# Altium PCB Minion_1_SiC780A_Rev01.PcbDoc (part 5 of 6) (continued)
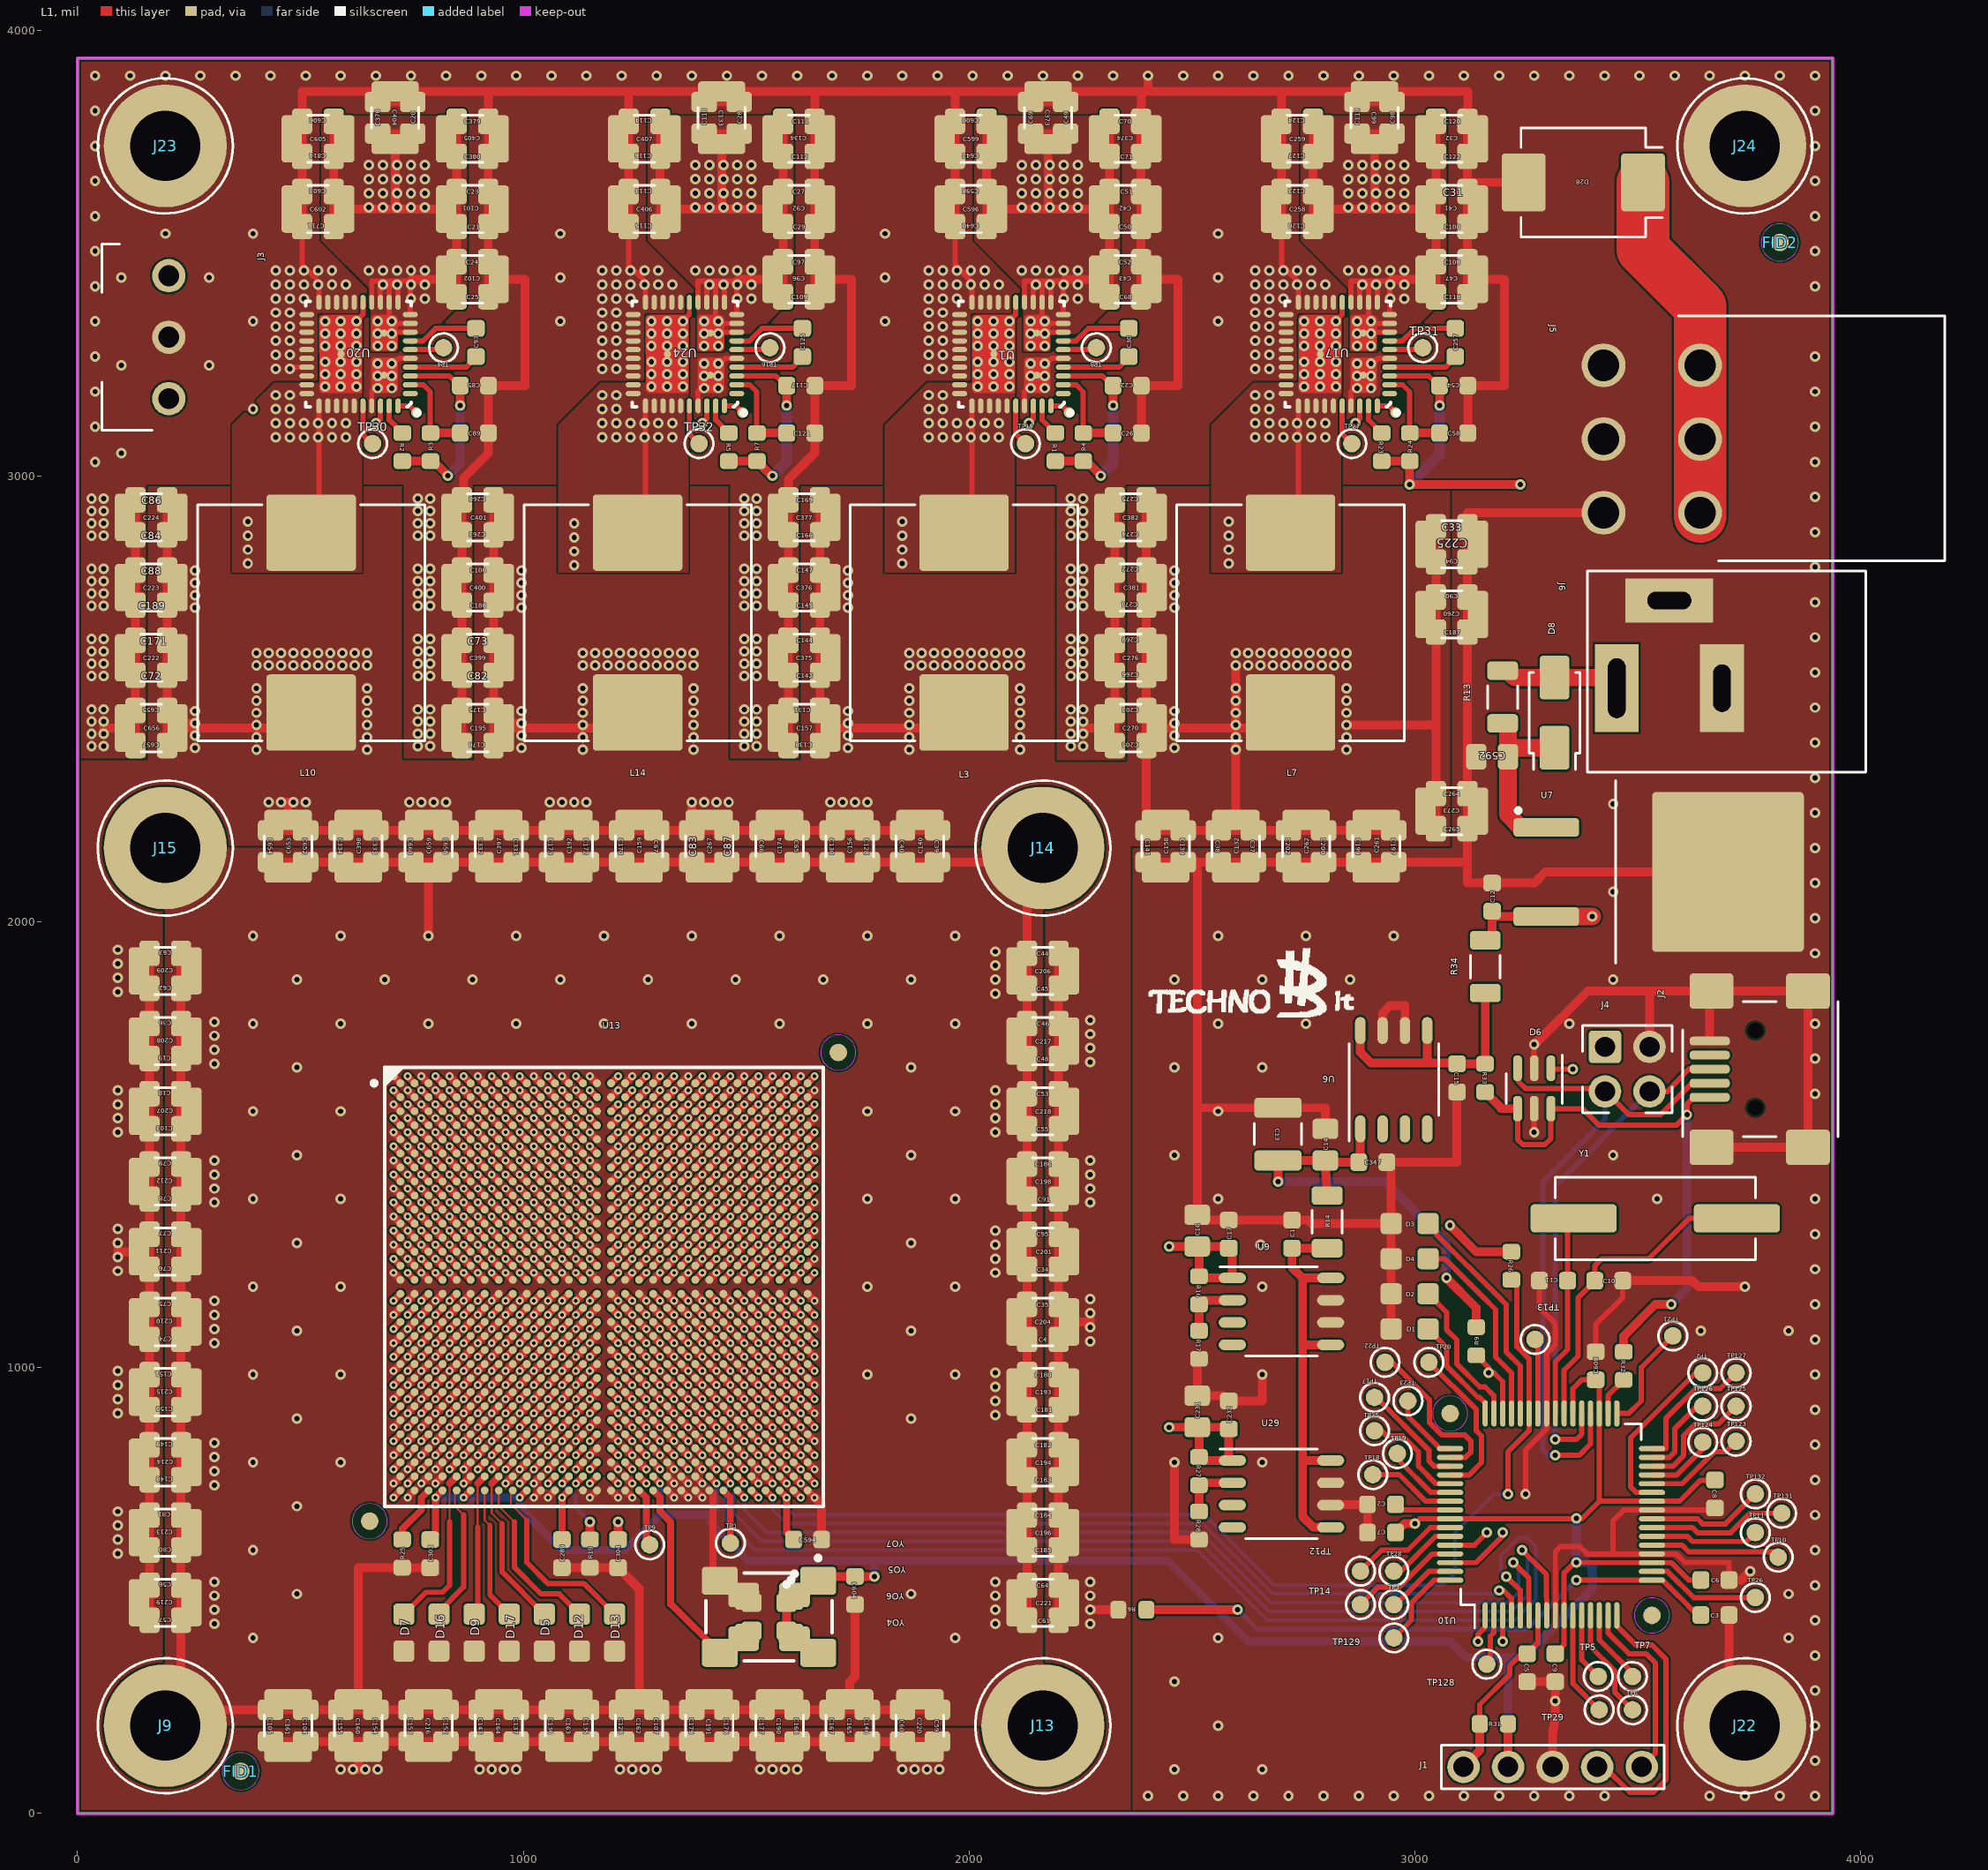
[diagram p0: L1 view]
## Nets (pads, with @x,y where several pads share a name; then routed paths per layer and width w, separated by ;. In a path a pad name is that pad's centre, name@x,y a point inside that pad or via, vN(x,y) a via of type N, cw(c..) or ccw(c..) an arc to the next point about the centre after c; other vN are vias at no path point) (continued)
  L1 w15.75: v2(708.66,740.16) U13.AJ1@724.41,755.91 ; v2(708.66,803.15) U13.AG1@724.41,818.9 ; v2(708.66,866.14) U13.AE1@724.41,881.89 ; v2(708.66,929.13) U13.AC1@724.41,944.88 ; v2(708.66,992.13) U13.AA1@724.41,1007.87 ; v2(708.66,1055.12) U13.W1@724.41,1070.87 ; v2(708.66,1118.11) U13.U1@724.41,1133.86 ; v2(708.66,1212.6) U13.R1@724.41,1196.85 ; v2(708.66,1275.59) U13.N1@724.41,1259.84 ; v2(708.66,1338.58) U13.L1@724.41,1322.83 ; v2(708.66,1401.57) U13.J1@724.41,1385.83 ; v2(708.66,1464.57) U13.G1@724.41,1448.82 ; v2(708.66,1527.56) U13.E1@724.41,1511.81 ; v2(708.66,1590.55) U13.C1@724.41,1574.8 ; v2(708.66,1653.54) U13.A1@724.41,1637.8 ; v2(740.16,708.66) U13.AK2@755.91,724.41 ; v2(740.16,771.65) U13.AH2@755.91,787.4 ; v2(740.16,834.65) U13.AF2@755.91,850.39 ; v2(740.16,897.64) U13.AD2@755.91,913.39 ; v2(740.16,960.63) U13.AB2@755.91,976.38 ; v2(740.16,1023.62) U13.Y2@755.91,1039.37 ; v2(740.16,1086.61) U13.V2@755.91,1102.36 ; v2(740.16,1149.61) U13.T2@755.91,1165.35 ; v2(740.16,1244.09) U13.P2@755.91,1228.35 ; v2(740.16,1307.09) U13.M2@755.91,1291.34 ; v2(740.16,1370.08) U13.K2@755.91,1354.33 ; v2(740.16,1433.07) U13.H2@755.91,1417.32 ; v2(740.16,1496.06) U13.F2@755.91,1480.31 ; v2(740.16,1559.06) U13.D2@755.91,1543.31 ; v2(740.16,1622.05) U13.B2@755.91,1606.3 ; v2(771.65,740.16) U13.AJ3@787.4,755.91 ; v2(771.65,803.15) U13.AG3@787.4,818.9 ; v2(771.65,866.14) U13.AE3@787.4,881.89 ; v2(771.65,929.13) U13.AC3@787.4,944.88 ; v2(771.65,992.13) U13.AA3@787.4,1007.87 ; v2(771.65,1055.12) U13.W3@787.4,1070.87 ; v2(771.65,1118.11) U13.U3@787.4,1133.86 ; v2(771.65,1212.6) U13.R3@787.4,1196.85 ; v2(771.65,1275.59) U13.N3@787.4,1259.84 ; v2(771.65,1338.58) U13.L3@787.4,1322.83 ; v2(771.65,1401.57) U13.J3@787.4,1385.83 ; v2(771.65,1464.57) U13.G3@787.4,1448.82 ; v2(771.65,1527.56) U13.E3@787.4,1511.81 ; v2(771.65,1590.55) U13.C3@787.4,1574.8 ; v2(771.65,1653.54) U13.A3@787.4,1637.8 ; v2(803.15,740.16) U13.AJ4@818.9,755.91 ; v2(803.15,771.65) U13.AH4@818.9,787.4 ; v2(803.15,834.65) U13.AF4@818.9,850.39 ; v2(803.15,897.64) U13.AD4@818.9,913.39 ; v2(803.15,960.63) U13.AB4@818.9,976.38 ; v2(803.15,1023.62) U13.Y4@818.9,1039.37 ; v2(803.15,1086.61) U13.V4@818.9,1102.36 ; v2(803.15,1149.61) U13.T4@818.9,1165.35 ; v2(803.15,1244.09) U13.P4@818.9,1228.35 ; v2(803.15,1307.09) U13.M4@818.9,1291.34 ; v2(803.15,1370.08) U13.K4@818.9,1354.33 ; v2(803.15,1433.07) U13.H4@818.9,1417.32 ; v2(803.15,1496.06) U13.F4@818.9,1480.31 ; v2(803.15,1559.06) U13.D4@818.9,1543.31 ; v2(803.15,1622.05) U13.B4@818.9,1606.3 ; v2(834.65,803.15) U13.AG5@850.39,818.9 ; v2(834.65,866.14) U13.AE5@850.39,881.89 ; v2(834.65,929.13) U13.AC5@850.39,944.88 ; v2(834.65,992.13) U13.AA5@850.39,1007.87 ; v2(834.65,1055.12) U13.W5@850.39,1070.87 ; v2(834.65,1118.11) U13.U5@850.39,1133.86 ; v2(834.65,1212.6) U13.R5@850.39,1196.85 ; v2(834.65,1275.59) U13.N5@850.39,1259.84 ; v2(834.65,1338.58) U13.L5@850.39,1322.83 ; v2(834.65,1401.57) U13.J5@850.39,1385.83 ; v2(834.65,1464.57) U13.G5@850.39,1448.82 ; v2(834.65,1527.56) U13.E5@850.39,1511.81 ; v2(834.65,1590.55) U13.C5@850.39,1574.8 ; v2(834.65,1653.54) U13.A5@850.39,1637.8 ; v2(866.14,740.16) U13.AJ6@881.89,755.91 ; v2(866.14,771.65) U13.AH6@881.89,787.4 ; v2(866.14,834.65) U13.AF6@881.89,850.39 ; v2(866.14,897.64) U13.AD6@881.89,913.39 ; v2(866.14,960.63) U13.AB6@881.89,976.38 ; v2(866.14,1023.62) U13.Y6@881.89,1039.37 ; v2(866.14,1086.61) U13.V6@881.89,1102.36 ; v2(866.14,1149.61) U13.T6@881.89,1165.35 ; v2(866.14,1244.09) U13.P6@881.89,1228.35 ; v2(866.14,1307.09) U13.M6@881.89,1291.34 ; v2(866.14,1370.08) U13.K6@881.89,1354.33 ; v2(866.14,1433.07) U13.H6@881.89,1417.32 ; v2(866.14,1496.06) U13.F6@881.89,1480.31 ; v2(866.14,1559.06) U13.D6@881.89,1543.31 ; v2(866.14,1622.05) U13.B6@881.89,1606.3 ; v2(897.64,803.15) U13.AG7@913.39,818.9 ; v2(897.64,866.14) U13.AE7@913.39,881.89 ; v2(897.64,929.13) U13.AC7@913.39,944.88 ; v2(897.64,992.13) U13.AA7@913.39,1007.87 ; v2(897.64,1055.12) U13.W7@913.39,1070.87 ; v2(897.64,1118.11) U13.U7@913.39,1133.86 ; v2(897.64,1212.6) U13.R7@913.39,1196.85 ; v2(897.64,1275.59) U13.N7@913.39,1259.84 ; v2(897.64,1338.58) U13.L7@913.39,1322.83 ; v2(897.64,1401.57) U13.J7@913.39,1385.83 ; v2(897.64,1464.57) U13.G7@913.39,1448.82 ; v2(897.64,1527.56) U13.E7@913.39,1511.81 ; v2(897.64,1590.55) U13.C7@913.39,1574.8 ; v2(897.64,1653.54) U13.A7@913.39,1637.8 ; v2(929.13,771.65) U13.AH8@944.88,787.4 ; v2(929.13,834.65) U13.AF8@944.88,850.39 ; v2(929.13,897.64) U13.AD8@944.88,913.39 ; v2(929.13,960.63) U13.AB8@944.88,976.38 ; v2(929.13,1023.62) U13.Y8@944.88,1039.37 ; v2(929.13,1086.61) U13.V8@944.88,1102.36 ; v2(929.13,1149.61) U13.T8@944.88,1165.35 ; v2(929.13,1244.09) U13.P8@944.88,1228.35 ; v2(929.13,1307.09) U13.M8@944.88,1291.34 ; v2(929.13,1370.08) U13.K8@944.88,1354.33 ; v2(929.13,1433.07) U13.H8@944.88,1417.32 ; v2(929.13,1496.06) U13.F8@944.88,1480.31 ; v2(929.13,1559.06) U13.D8@944.88,1543.31 ; v2(929.13,1622.05) U13.B8@944.88,1606.3 ; v2(960.63,740.16) U13.AJ9@976.38,755.91 ; v2(960.63,803.15) U13.AG9@976.38,818.9 ; v2(960.63,866.14) U13.AE9@976.38,881.89 ; v2(960.63,929.13) U13.AC9@976.38,944.88 ; v2(960.63,992.13) U13.AA9@976.38,1007.87 ; v2(960.63,1055.12) U13.W9@976.38,1070.87 ; v2(960.63,1118.11) U13.U9@976.38,1133.86 ; v2(960.63,1212.6) U13.R9@976.38,1196.85 ; v2(960.63,1275.59) U13.N9@976.38,1259.84 ; v2(960.63,1338.58) U13.L9@976.38,1322.83 ; v2(960.63,1401.57) U13.J9@976.38,1385.83 ; v2(960.63,1464.57) U13.G9@976.38,1448.82 ; v2(960.63,1527.56) U13.E9@976.38,1511.81 ; v2(960.63,1590.55) U13.C9@976.38,1574.8 ; v2(960.63,1653.54) U13.A9@976.38,1637.8 ; v2(992.13,771.65) U13.AH10@1007.87,787.4 ; v2(992.13,834.65) U13.AF10@1007.87,850.39 ; v2(992.13,897.64) U13.AD10@1007.87,913.39 ; v2(992.13,960.63) U13.AB10@1007.87,976.38 ; v2(992.13,1023.62) U13.Y10@1007.87,1039.37 ; v2(992.13,1086.61) U13.V10@1007.87,1102.36 ; v2(992.13,1149.61) U13.T10@1007.87,1165.35 ; v2(992.13,1244.09) U13.P10@1007.87,1228.35 ; v2(992.13,1307.09) U13.M10@1007.87,1291.34 ; v2(992.13,1370.08) U13.K10@1007.87,1354.33 ; v2(992.13,1433.07) U13.H10@1007.87,1417.32 ; v2(992.13,1496.06) U13.F10@1007.87,1480.31 ; v2(992.13,1559.06) U13.D10@1007.87,1543.31 ; v2(992.13,1622.05) U13.B10@1007.87,1606.3 ; v2(1023.62,708.66) U13.AK11@1039.37,724.41 ; v2(1023.62,740.16) U13.AJ11@1039.37,755.91 ; v2(1023.62,803.15) U13.AG11@1039.37,818.9 ; v2(1023.62,866.14) U13.AE11@1039.37,881.89 ; v2(1023.62,929.13) U13.AC11@1039.37,944.88 ; v2(1023.62,992.13) U13.AA11@1039.37,1007.87 ; v2(1023.62,1055.12) U13.W11@1039.37,1070.87 ; v2(1023.62,1118.11) U13.U11@1039.37,1133.86 ; v2(1023.62,1212.6) U13.R11@1039.37,1196.85 ; v2(1023.62,1275.59) U13.N11@1039.37,1259.84 ; v2(1023.62,1338.58) U13.L11@1039.37,1322.83 ; v2(1023.62,1401.57) U13.J11@1039.37,1385.83 ; v2(1023.62,1464.57) U13.G11@1039.37,1448.82 ; v2(1023.62,1527.56) U13.E11@1039.37,1511.81 ; v2(1023.62,1590.55) U13.C11@1039.37,1574.8 ; v2(1023.62,1653.54) U13.A11@1039.37,1637.8 ; v2(1055.12,708.66) U13.AK12@1070.87,724.41 ; v2(1055.12,771.65) U13.AH12@1070.87,787.4 ; v2(1055.12,834.65) U13.AF12@1070.87,850.39 ; v2(1055.12,897.64) U13.AD12@1070.87,913.39 ; v2(1055.12,960.63) U13.AB12@1070.87,976.38 ; v2(1055.12,1023.62) U13.Y12@1070.87,1039.37 ; v2(1055.12,1086.61) U13.V12@1070.87,1102.36 ; v2(1055.12,1149.61) U13.T12@1070.87,1165.35 ; v2(1055.12,1244.09) U13.P12@1070.87,1228.35 ; v2(1055.12,1307.09) U13.M12@1070.87,1291.34 ; v2(1055.12,1370.08) U13.K12@1070.87,1354.33 ; v2(1055.12,1433.07) U13.H12@1070.87,1417.32 ; v2(1055.12,1496.06) U13.F12@1070.87,1480.31 ; v2(1055.12,1559.06) U13.D12@1070.87,1543.31 ; v2(1055.12,1622.05) U13.B12@1070.87,1606.3 ; v2(1086.61,803.15) U13.AG13@1102.36,818.9 ; v2(1086.61,866.14) U13.AE13@1102.36,881.89 ; v2(1086.61,929.13) U13.AC13@1102.36,944.88 ; v2(1086.61,992.13) U13.AA13@1102.36,1007.87 ; v2(1086.61,1055.12) U13.W13@1102.36,1070.87 ; v2(1086.61,1118.11) U13.U13@1102.36,1133.86 ; v2(1086.61,1212.6) U13.R13@1102.36,1196.85 ; v2(1086.61,1275.59) U13.N13@1102.36,1259.84 ; v2(1086.61,1338.58) U13.L13@1102.36,1322.83 ; v2(1086.61,1401.57) U13.J13@1102.36,1385.83 ; v2(1086.61,1464.57) U13.G13@1102.36,1448.82 ; v2(1086.61,1527.56) U13.E13@1102.36,1511.81 ; v2(1086.61,1590.55) U13.C13@1102.36,1574.8 ; v2(1086.61,1653.54) U13.A13@1102.36,1637.8 ; v2(1118.11,771.65) U13.AH14@1133.86,787.4 ; v2(1118.11,834.65) U13.AF14@1133.86,850.39 ; v2(1118.11,897.64) U13.AD14@1133.86,913.39 ; v2(1118.11,960.63) U13.AB14@1133.86,976.38 ; v2(1118.11,1023.62) U13.Y14@1133.86,1039.37 ; v2(1118.11,1086.61) U13.V14@1133.86,1102.36 ; v2(1118.11,1149.61) U13.T14@1133.86,1165.35 ; v2(1118.11,1244.09) U13.P14@1133.86,1228.35 ; v2(1118.11,1307.09) U13.M14@1133.86,1291.34 ; v2(1118.11,1370.08) U13.K14@1133.86,1354.33 ; v2(1118.11,1433.07) U13.H14@1133.86,1417.32 ; v2(1118.11,1496.06) U13.F14@1133.86,1480.31 ; v2(1118.11,1559.06) U13.D14@1133.86,1543.31 ; v2(1118.11,1622.05) U13.B14@1133.86,1606.3 ; v2(1149.61,708.66) U13.AK15@1165.35,724.41 ; v2(1149.61,803.15) U13.AG15@1165.35,818.9 ; v2(1149.61,866.14) U13.AE15@1165.35,881.89 ; v2(1149.61,929.13) U13.AC15@1165.35,944.88 ; v2(1149.61,992.13) U13.AA15@1165.35,1007.87 ; v2(1149.61,1055.12) U13.W15@1165.35,1070.87 ; v2(1149.61,1118.11) U13.U15@1165.35,1133.86 ; v2(1149.61,1212.6) U13.R15@1165.35,1196.85 ; v2(1149.61,1275.59) U13.N15@1165.35,1259.84 ; v2(1149.61,1338.58) U13.L15@1165.35,1322.83 ; v2(1149.61,1401.57) U13.J15@1165.35,1385.83 ; v2(1149.61,1464.57) U13.G15@1165.35,1448.82 ; v2(1149.61,1527.56) U13.E15@1165.35,1511.81 ; v2(1149.61,1590.55) U13.C15@1165.35,1574.8 ; v2(1149.61,1653.54) U13.A15@1165.35,1637.8 ; U13.AK16@1196.85,724.41 v2(1212.6,708.66) ; U13.AH16@1196.85,787.4 v2(1212.6,771.65) ; U13.AF16@1196.85,850.39 v2(1212.6,834.65) ; U13.AD16@1196.85,913.39 v2(1212.6,897.64) ; U13.AB16@1196.85,976.38 v2(1212.6,960.63) ; U13.Y16@1196.85,1039.37 v2(1212.6,1023.62) ; U13.V16@1196.85,1102.36 v2(1212.6,1086.61) ; U13.T16@1196.85,1165.35 v2(1212.6,1149.61) ; U13.P16@1196.85,1228.35 v2(1212.6,1244.09) ; U13.M16@1196.85,1291.34 v2(1212.6,1307.09) ; U13.K16@1196.85,1354.33 v2(1212.6,1370.08) ; U13.H16@1196.85,1417.32 v2(1212.6,1433.07) ; U13.F16@1196.85,1480.31 v2(1212.6,1496.06) ; U13.D16@1196.85,1543.31 v2(1212.6,1559.06) ; U13.B16@1196.85,1606.3 v2(1212.6,1622.05) ; U13.AK17@1228.35,724.41 v2(1244.09,708.66) ; U13.AJ17@1228.35,755.91 v2(1244.09,740.16) ; U13.AG17@1228.35,818.9 v2(1244.09,803.15) ; U13.AE17@1228.35,881.89 v2(1244.09,866.14) ; U13.AC17@1228.35,944.88 v2(1244.09,929.13) ; U13.AA17@1228.35,1007.87 v2(1244.09,992.13) ; U13.W17@1228.35,1070.87 v2(1244.09,1055.12) ; U13.U17@1228.35,1133.86 v2(1244.09,1118.11) ; U13.R17@1228.35,1196.85 v2(1244.09,1212.6) ; U13.N17@1228.35,1259.84 v2(1244.09,1275.59) ; U13.L17@1228.35,1322.83 v2(1244.09,1338.58) ; U13.J17@1228.35,1385.83 v2(1244.09,1401.57) ; U13.G17@1228.35,1448.82 v2(1244.09,1464.57) ; U13.E17@1228.35,1511.81 v2(1244.09,1527.56) ; U13.C17@1228.35,1574.8 v2(1244.09,1590.55) ; U13.A17@1228.35,1637.8 v2(1244.09,1653.54) ; U13.AH18@1259.84,787.4 v2(1275.59,771.65) ; U13.AF18@1259.84,850.39 v2(1275.59,834.65) ; U13.AD18@1259.84,913.39 v2(1275.59,897.64) ; U13.AB18@1259.84,976.38 v2(1275.59,960.63) ; U13.Y18@1259.84,1039.37 v2(1275.59,1023.62) ; U13.V18@1259.84,1102.36 v2(1275.59,1086.61) ; U13.T18@1259.84,1165.35 v2(1275.59,1149.61) ; U13.P18@1259.84,1228.35 v2(1275.59,1244.09) ; U13.M18@1259.84,1291.34 v2(1275.59,1307.09) ; U13.K18@1259.84,1354.33 v2(1275.59,1370.08) ; U13.H18@1259.84,1417.32 v2(1275.59,1433.07) ; U13.F18@1259.84,1480.31 v2(1275.59,1496.06) ; U13.D18@1259.84,1543.31 v2(1275.59,1559.06) ; U13.B18@1259.84,1606.3 v2(1275.59,1622.05) ; U13.AG19@1291.34,818.9 v2(1307.09,803.15) ; U13.AE19@1291.34,881.89 v2(1307.09,866.14) ; U13.AC19@1291.34,944.88 v2(1307.09,929.13) ; U13.AA19@1291.34,1007.87 v2(1307.09,992.13) ; U13.W19@1291.34,1070.87 v2(1307.09,1055.12) ; U13.U19@1291.34,1133.86 v2(1307.09,1118.11) ; U13.R19@1291.34,1196.85 v2(1307.09,1212.6) ; U13.N19@1291.34,1259.84 v2(1307.09,1275.59) ; U13.L19@1291.34,1322.83 v2(1307.09,1338.58) ; U13.J19@1291.34,1385.83 v2(1307.09,1401.57) ; U13.G19@1291.34,1448.82 v2(1307.09,1464.57) ; U13.E19@1291.34,1511.81 v2(1307.09,1527.56) ; U13.C19@1291.34,1574.8 v2(1307.09,1590.55) ; U13.A19@1291.34,1637.8 v2(1307.09,1653.54) ; U13.AK20@1322.83,724.41 v2(1338.58,708.66) ; U13.AJ20@1322.83,755.91 v2(1338.58,740.16) ; U13.AH20@1322.83,787.4 v2(1338.58,771.65) ; U13.AF20@1322.83,850.39 v2(1338.58,834.65) ; U13.AD20@1322.83,913.39 v2(1338.58,897.64) ; U13.AB20@1322.83,976.38 v2(1338.58,960.63) ; U13.Y20@1322.83,1039.37 v2(1338.58,1023.62) ; U13.V20@1322.83,1102.36 v2(1338.58,1086.61) ; U13.T20@1322.83,1165.35 v2(1338.58,1149.61) ; U13.P20@1322.83,1228.35 v2(1338.58,1244.09) ; U13.M20@1322.83,1291.34 v2(1338.58,1307.09) ; U13.K20@1322.83,1354.33 v2(1338.58,1370.08) ; U13.H20@1322.83,1417.32 v2(1338.58,1433.07) ; U13.F20@1322.83,1480.31 v2(1338.58,1496.06) ; U13.D20@1322.83,1543.31 v2(1338.58,1559.06) ; U13.B20@1322.83,1606.3 v2(1338.58,1622.05) ; U13.AK21@1354.33,724.41 v2(1370.08,708.66) ; U13.AJ21@1354.33,755.91 v2(1370.08,740.16) ; U13.AG21@1354.33,818.9 v2(1370.08,803.15) ; U13.AE21@1354.33,881.89 v2(1370.08,866.14) ; U13.AC21@1354.33,944.88 v2(1370.08,929.13) ; U13.AA21@1354.33,1007.87 v2(1370.08,992.13) ; U13.W21@1354.33,1070.87 v2(1370.08,1055.12) ; U13.U21@1354.33,1133.86 v2(1370.08,1118.11) ; U13.R21@1354.33,1196.85 v2(1370.08,1212.6) ; U13.N21@1354.33,1259.84 v2(1370.08,1275.59) ; U13.L21@1354.33,1322.83 v2(1370.08,1338.58) ; U13.J21@1354.33,1385.83 v2(1370.08,1401.57) ; U13.G21@1354.33,1448.82 v2(1370.08,1464.57) ; U13.E21@1354.33,1511.81 v2(1370.08,1527.56) ; U13.C21@1354.33,1574.8 v2(1370.08,1590.55) ; U13.A21@1354.33,1637.8 v2(1370.08,1653.54) ; U13.AK22@1385.83,724.41 v2(1401.57,708.66) ; U13.AJ22@1385.83,755.91 v2(1401.57,740.16) ; U13.AH22@1385.83,787.4 v2(1401.57,771.65) ; U13.AF22@1385.83,850.39 v2(1401.57,834.65) ; U13.AD22@1385.83,913.39 v2(1401.57,897.64) ; U13.AB22@1385.83,976.38 v2(1401.57,960.63) ; U13.Y22@1385.83,1039.37 v2(1401.57,1023.62) ; U13.V22@1385.83,1102.36 v2(1401.57,1086.61) ; U13.T22@1385.83,1165.35 v2(1401.57,1149.61) ; U13.P22@1385.83,1228.35 v2(1401.57,1244.09) ; U13.M22@1385.83,1291.34 v2(1401.57,1307.09) ; U13.K22@1385.83,1354.33 v2(1401.57,1370.08) ; U13.H22@1385.83,1417.32 v2(1401.57,1433.07) ; U13.F22@1385.83,1480.31 v2(1401.57,1496.06) ; U13.D22@1385.83,1543.31 v2(1401.57,1559.06) ; U13.B22@1385.83,1606.3 v2(1401.57,1622.05) ; U13.AK23@1417.32,724.41 1425.2,716.54 1425.2,537.4 YO7.2@1441.93,520.67 ; U13.AG23@1417.32,818.9 v2(1433.07,803.15) ; U13.AE23@1417.32,881.89 v2(1433.07,866.14) ; U13.AC23@1417.32,944.88 v2(1433.07,929.13) ; U13.AA23@1417.32,1007.87 v2(1433.07,992.13) ; U13.W23@1417.32,1070.87 v2(1433.07,1055.12) ; U13.U23@1417.32,1133.86 v2(1433.07,1118.11) ; U13.R23@1417.32,1196.85 v2(1433.07,1212.6) ; U13.N23@1417.32,1259.84 v2(1433.07,1275.59) ; U13.L23@1417.32,1322.83 v2(1433.07,1338.58) ; U13.J23@1417.32,1385.83 v2(1433.07,1401.57) ; U13.G23@1417.32,1448.82 v2(1433.07,1464.57) ; U13.E23@1417.32,1511.81 v2(1433.07,1527.56) ; U13.C23@1417.32,1574.8 v2(1433.07,1590.55) ; U13.A23@1417.32,1637.8 v2(1433.07,1653.54) ; U13.AH24@1448.82,787.4 v2(1464.57,771.65) ; U13.AF24@1448.82,850.39 v2(1464.57,834.65) ; U13.AD24@1448.82,913.39 v2(1464.57,897.64) ; U13.AB24@1448.82,976.38 v2(1464.57,960.63) ; U13.Y24@1448.82,1039.37 v2(1464.57,1023.62) ; U13.V24@1448.82,1102.36 v2(1464.57,1086.61) ; U13.T24@1448.82,1165.35 v2(1464.57,1149.61) ; U13.P24@1448.82,1228.35 v2(1464.57,1244.09) ; U13.M24@1448.82,1291.34 v2(1464.57,1307.09) ; U13.K24@1448.82,1354.33 v2(1464.57,1370.08) ; U13.H24@1448.82,1417.32 v2(1464.57,1433.07) ; U13.F24@1448.82,1480.31 v2(1464.57,1496.06) ; U13.D24@1448.82,1543.31 v2(1464.57,1559.06) ; U13.B24@1448.82,1606.3 v2(1464.57,1622.05) ; U13.AG25@1480.31,818.9 v2(1496.06,803.15) ; U13.AE25@1480.31,881.89 v2(1496.06,866.14) ; U13.AC25@1480.31,944.88 v2(1496.06,929.13) ; U13.AA25@1480.31,1007.87 v2(1496.06,992.13) ; U13.W25@1480.31,1070.87 v2(1496.06,1055.12) ; U13.U25@1480.31,1133.86 v2(1496.06,1118.11) ; U13.R25@1480.31,1196.85 v2(1496.06,1212.6) ; U13.N25@1480.31,1259.84 v2(1496.06,1275.59) ; U13.L25@1480.31,1322.83 v2(1496.06,1338.58) ; U13.J25@1480.31,1385.83 v2(1496.06,1401.57) ; U13.G25@1480.31,1448.82 v2(1496.06,1464.57) ; U13.E25@1480.31,1511.81 v2(1496.06,1527.56) ; U13.C25@1480.31,1574.8 v2(1496.06,1590.55) ; U13.A25@1480.31,1637.8 v2(1496.06,1653.54) ; U13.AJ26@1511.81,755.91 v2(1527.56,740.16) ; U13.AH26@1511.81,787.4 v2(1527.56,771.65) ; U13.AF26@1511.81,850.39 v2(1527.56,834.65) ; U13.AD26@1511.81,913.39 v2(1527.56,897.64) ; U13.AB26@1511.81,976.38 v2(1527.56,960.63) ; U13.Y26@1511.81,1039.37 v2(1527.56,1023.62) ; U13.V26@1511.81,1102.36 v2(1527.56,1086.61) ; U13.T26@1511.81,1165.35 v2(1527.56,1149.61) ; U13.P26@1511.81,1228.35 v2(1527.56,1244.09) ; U13.M26@1511.81,1291.34 v2(1527.56,1307.09) ; U13.K26@1511.81,1354.33 v2(1527.56,1370.08) ; U13.H26@1511.81,1417.32 v2(1527.56,1433.07) ; U13.F26@1511.81,1480.31 v2(1527.56,1496.06) ; U13.D26@1511.81,1543.31 v2(1527.56,1559.06) ; U13.B26@1511.81,1606.3 v2(1527.56,1622.05) ; U13.AJ27@1543.31,755.91 v2(1559.06,740.16) ; U13.AG27@1543.31,818.9 v2(1559.06,803.15) ; U13.AE27@1543.31,881.89 v2(1559.06,866.14) ; U13.AC27@1543.31,944.88 v2(1559.06,929.13) ; U13.AA27@1543.31,1007.87 v2(1559.06,992.13) ; U13.W27@1543.31,1070.87 v2(1559.06,1055.12) ; U13.U27@1543.31,1133.86 v2(1559.06,1118.11) ; U13.R27@1543.31,1196.85 v2(1559.06,1212.6) ; U13.N27@1543.31,1259.84 v2(1559.06,1275.59) ; U13.L27@1543.31,1322.83 v2(1559.06,1338.58) ; U13.J27@1543.31,1385.83 v2(1559.06,1401.57) ; U13.G27@1543.31,1448.82 v2(1559.06,1464.57) ; U13.E27@1543.31,1511.81 v2(1559.06,1527.56) ; U13.C27@1543.31,1574.8 v2(1559.06,1590.55) ; U13.A27@1543.31,1637.8 v2(1559.06,1653.54) ; U13.AH28@1574.8,787.4 v2(1590.55,771.65) ; U13.AF28@1574.8,850.39 v2(1590.55,834.65) ; U13.AD28@1574.8,913.39 v2(1590.55,897.64) ; U13.AB28@1574.8,976.38 v2(1590.55,960.63) ; U13.Y28@1574.8,1039.37 v2(1590.55,1023.62) ; U13.V28@1574.8,1102.36 v2(1590.55,1086.61) ; U13.T28@1574.8,1165.35 v2(1590.55,1149.61) ; U13.P28@1574.8,1228.35 v2(1590.55,1244.09) ; U13.M28@1574.8,1291.34 v2(1590.55,1307.09) ; U13.K28@1574.8,1354.33 v2(1590.55,1370.08) ; U13.H28@1574.8,1417.32 v2(1590.55,1433.07) ; U13.F28@1574.8,1480.31 v2(1590.55,1496.06) ; U13.D28@1574.8,1543.31 v2(1590.55,1559.06) ; U13.B28@1574.8,1606.3 v2(1590.55,1622.05) ; U13.AJ29@1606.3,755.91 v2(1622.05,740.16) ; U13.AG29@1606.3,818.9 v2(1622.05,803.15) ; U13.AE29@1606.3,881.89 v2(1622.05,866.14) ; U13.AC29@1606.3,944.88 v2(1622.05,929.13) ; U13.AA29@1606.3,1007.87 v2(1622.05,992.13) ; U13.W29@1606.3,1070.87 v2(1622.05,1055.12) ; U13.U29@1606.3,1133.86 v2(1622.05,1118.11) ; U13.R29@1606.3,1196.85 v2(1622.05,1212.6) ; U13.N29@1606.3,1259.84 v2(1622.05,1275.59) ; U13.L29@1606.3,1322.83 v2(1622.05,1338.58) ; U13.J29@1606.3,1385.83 v2(1622.05,1401.57) ; U13.G29@1606.3,1448.82 v2(1622.05,1464.57) ; U13.E29@1606.3,1511.81 v2(1622.05,1527.56) ; U13.C29@1606.3,1574.8 v2(1622.05,1590.55) ; U13.A29@1606.3,1637.8 v2(1622.05,1653.54) ; U13.AK30@1637.8,724.41 v2(1653.54,708.66) ; U13.AH30@1637.8,787.4 v2(1653.54,771.65) ; U13.AF30@1637.8,850.39 v2(1653.54,834.65) ; U13.AD30@1637.8,913.39 v2(1653.54,897.64) ; U13.AB30@1637.8,976.38 v2(1653.54,960.63) ; U13.Y30@1637.8,1039.37 v2(1653.54,1023.62) ; U13.V30@1637.8,1102.36 v2(1653.54,1086.61) ; U13.T30@1637.8,1165.35 v2(1653.54,1149.61) ; U13.P30@1637.8,1228.35 v2(1653.54,1244.09) ; U13.M30@1637.8,1291.34 v2(1653.54,1307.09) ; U13.K30@1637.8,1354.33 v2(1653.54,1370.08) ; U13.H30@1637.8,1417.32 v2(1653.54,1433.07) ; U13.F30@1637.8,1480.31 v2(1653.54,1496.06) ; U13.D30@1637.8,1543.31 v2(1653.54,1559.06) ; U13.B30@1637.8,1606.3 v2(1653.54,1622.05)
  L1 w19.68: v1(59.06,2421.26) 59.06,2434.44 ; v1(59.06,2448.82) 59.06,2434.44 ; C222.1@106.43,2591.92 130.05,2591.92 ; C223.1@106.43,2749.4 130.05,2749.4 ; C224.1@106.43,2906.88 130.05,2906.88 ; C657.2@130.05,2395.07 130.05,2434.44 ; C86.1@130.05,2946.25 130.05,2906.88 ; J9.1@196.85,196.85 J9.1@232.28,232.28 ; C63.1@232.28,1929.13 232.28,1889.76 ; C219.1@255.91,472.44 232.28,472.44 ; C213.1@255.91,629.92 232.28,629.92 ; C214.1@255.91,787.4 232.28,787.4 ; C215.1@255.91,944.88 232.28,944.88 ; C210.1@255.91,1102.36 232.28,1102.36 ; C211.1@255.91,1259.84 232.28,1259.84 ; C212.1@255.91,1417.32 232.28,1417.32 ; C207.1@255.91,1574.8 232.28,1574.8 ; C208.1@255.91,1732.28 232.28,1732.28 ; C209.1@255.91,1889.76 232.28,1889.76 ; C654.2@433.07,2133.86 472.44,2133.86 ; C161.1@472.44,255.91 472.44,232.28 ; C653.1@472.44,2110.24 472.44,2133.86 ; C602.1@480.31,3598.43 504.39,3599.99 ; C605.1@480.31,3755.91 504.39,3757.47 ; C711.2@503.94,3559.06 504.37,3598.16 504.39,3599.99 ; C398.1@629.92,2110.24 629.92,2133.86 ; C378.2@673.23,3838.58 712.6,3838.58 ; C20.2@751.97,3838.58 712.6,3838.58 ; C216.1@787.4,255.91 787.4,232.28 ; v1(787.4,1968.5) C659.1@787.4,2110.24 787.4,2133.86 ; C303.1@791.34,551.18 R25.1@728.35,551.18 629.92,551.18 C160.1@629.92,255.91 629.92,232.28 ; C195.1@838.71,2434.44 862.33,2434.44 ; C399.1@838.71,2591.92 862.33,2591.92 ; C400.1@838.71,2749.4 862.33,2749.4 ; C401.1@838.71,2906.88 862.33,2906.88 ; C176.2@862.33,2395.07 862.33,2434.44 ; C25.2@921.26,3401.57 921.26,3440.94 ; C164.1@944.88,255.91 944.88,232.28 ; C397.1@944.88,2110.24 944.88,2133.86 ; C101.1@944.88,3598.43 921.26,3598.43 ; C405.1@944.88,3755.91 921.26,3755.91 ; C289.1@1086.61,551.18 R19.1@1149.61,551.18 C304.1@1212.6,551.18 1259.84,503.94 C162.1@1259.84,255.91 1259.84,232.28 ; C163.1@1102.36,255.91 1102.36,232.28 ; C192.1@1102.36,2110.24 1102.36,2133.86 ; C406.1@1212.6,3598.43 1236.67,3599.99 ; C407.1@1212.6,3755.91 1236.67,3757.47 ; C115.2@1236.22,3559.06 1236.65,3598.16 1236.67,3599.99 ; 1236.57,3862.2 C133.1@1444.88,3862.2 ; C159.1@1259.84,2110.24 1259.84,2133.86 ; C110.2@1405.51,3838.58 1444.88,3838.58 ; C191.1@1417.32,255.91 1417.32,232.28 ; C267.1@1417.32,2110.24 1417.32,2133.86 ; YO7.2@1441.93,520.67 1470.47,492.13 1492.13,492.13 YO6.2@1494.09,490.16 1501.97,482.28 YO5.2@1501.97,480.31 1509.84,472.44 YO4.2@1511.81,472.44 ; C28.2@1484.25,3838.58 1444.88,3838.58 ; C157.1@1570.99,2434.44 1594.61,2434.44 ; C375.1@1570.99,2591.92 1594.61,2591.92 ; C376.1@1570.99,2749.4 1594.61,2749.4 ; C377.1@1570.99,2906.88 1594.61,2906.88 ; C190.1@1574.8,255.91 1574.8,232.28 ; C174.1@1574.8,2110.24 1574.8,2133.86 ; C138.2@1594.61,2395.07 1594.61,2434.44 ; v2(1653.54,708.66) 1669.29,692.91 C594.2@1669.29,614.17 ; C109.2@1653.54,3401.57 1653.54,3440.94 ; C92.1@1677.17,3598.43 1653.54,3598.43 ; C134.1@1677.17,3755.91 1653.54,3755.91 ; C156.1@1732.28,2110.24 1732.28,2133.86 ; C604.2@1744.09,468.5 1744.09,307.09 1732.28,295.28 C165.1@1732.28,255.91 1732.28,232.28 ; C220.1@1889.76,255.91 1889.76,232.28 ; C140.1@1889.76,2110.24 1889.76,2133.86 ; C59.1@1929.13,232.28 1889.76,232.28 ; C596.1@1944.88,3598.43 1968.96,3599.99 ; C599.1@1944.88,3755.91 1968.96,3757.47 ; C640.2@1968.5,3559.06 1968.93,3598.16 1968.96,3599.99 ; 1968.85,3862.17 C600.2@1968.5,3795.28 1968.96,3757.47 ; C221.1@2106.3,472.44 2129.92,472.44 ; C196.1@2106.3,629.92 2129.92,629.92 ; C194.1@2106.3,787.4 2129.92,787.4 ; C193.1@2106.3,944.88 2129.92,944.88 ; C204.1@2106.3,1102.36 2129.92,1102.36 ; C201.1@2106.3,1259.84 2129.92,1259.84 ; C198.1@2106.3,1417.32 2129.92,1417.32 ; C218.1@2106.3,1574.8 2129.92,1574.8 ; C217.1@2106.3,1732.28 2129.92,1732.28 ; C206.1@2106.3,1889.76 2129.92,1889.76 ; C61.1@2129.92,433.07 2129.92,472.44 ; C69.2@2137.8,3838.58 2177.17,3838.58 ; J14.1@2165.35,2165.35 2161.42,2165.35 J14.1@2129.92,2133.86 ; C49.2@2216.54,3838.58 2177.17,3838.58 ; v1(2255.91,2421.26) 2255.91,2434.44 ; v1(2255.91,2448.82) 2255.91,2434.44 ; C276.1@2303.28,2591.92 2326.9,2591.92 ; C381.1@2303.28,2749.4 2326.9,2749.4 ; C382.1@2303.28,2906.88 2326.9,2906.88 ; C205.2@2326.9,2395.07 2326.9,2434.44 ; C275.2@2326.9,2946.25 2326.9,2906.88 ; C68.2@2385.83,3401.57 2385.83,3440.94 ; C26.2@2386.28,3096.05 C22.1@2386.28,3202.35 2468.5,3202.35 2468.5,3440.94 C43.1@2409.45,3440.94 2385.83,3440.94 ; C141.2@2401.57,2133.77 2440.94,2133.77 ; v1(2401.57,3897.64) 2401.57,3862.2 ; C42.1@2409.45,3598.43 2385.83,3598.43 ; C374.1@2409.45,3755.91 2385.83,3755.91 ; C158.1@2440.94,2110.15 2440.94,2133.77 ; v1(2460.63,787.4) 2460.63,614.17 R28.2@2515.75,614.17 ; R17.2@2515.75,1019.69 2511.81,1015.75 C231.2@2511.81,937.01 2570.87,937.01 C232.2@2582.68,925.2 2657.48,925.2 v1(2657.48,984.25) ; C132.1@2598.42,2110.15 2598.42,2133.77 ; C258.1@2677.17,3598.43 2701.24,3599.99 ; C259.1@2677.17,3755.91 2701.24,3757.47 ; C126.2@2700.79,3559.06 2701.22,3598.16 2701.24,3599.99 ; C262.1@2755.91,2110.24 2755.91,2133.86 ; C14.2@2799.21,1535.43 2799.21,1582.68 2511.81,1582.68 ; U29.6@2811.02,691.54 2811.02,692.91 C2.2@2893.7,692.91 C7.2@2893.7,629.92 ; C119.2@2870.08,3838.58 2909.45,3838.58 ; C261.1@2913.39,2110.24 2913.39,2133.86 ; U6.7@2927.76,1755.91 2927.76,1795.08 2944.88,1812.2 2977.76,1812.2 U6.6@2977.76,1755.91 ; C347.2@2937.01,1460.63 C347.2@2946.85,1460.63 ; D1.1@2946.85,1086.61 D2.1@2946.85,1165.35 D4.1@2946.85,1244.09 D3.1@2946.85,1322.83 ; C98.2@2948.82,3838.58 2909.45,3838.58 ; C15.2@3094.49,1618.11 3094.49,1460.63 C347.2@2946.85,1460.63 ; C118.2@3118.11,3401.57 3118.11,3440.94 ; C58.2@3118.56,3096.05 C54.1@3118.56,3202.35 3200.79,3202.35 3200.79,3440.94 C47.1@3141.73,3440.94 3118.11,3440.94 ; C592.2@3137.8,2370.08 C592.2@3118.11,2370.08 ; C273.1@3141.73,2248.03 3118.11,2248.03 ; C260.1@3141.73,2688.98 3118.11,2688.98 ; C225.1@3141.73,2846.46 3118.11,2846.46 ; C41.1@3141.73,3598.43 3118.11,3598.43 ; C32.1@3141.73,3755.91 3118.11,3755.91 ; D28.2@3243.98,3658.13 C31.2@3118.11,3658.13 ; C5.2@3251.97,295.28 C9.2@3314.96,295.28 v1(3314.96,251.97) 3314.96,210.63 3309.06,181.1 J1.3@3309.06,104.33 ; v1(3267.72,1724.41) 3387.8,1844.49 3526.38,1844.49 ; J5.6@3423.23,2917.32 3118.11,2917.32 C33.2@3118.11,2885.83 3118.11,2846.46 ; C10.2@3466.54,1194.88 3622.05,1194.88 3635.83,1181.1 v1(3740.16,1181.1) ; J4.2@3526.38,1719.29 3526.38,1844.49 ; J2.5@3661.42,1732.28 J2.6@3661.42,1844.49 ; J2.9@3665.35,1494.09 J2.8@3881.89,1494.09 J2.7@3881.89,1844.49 J2.6@3665.35,1844.49 J2.6@3661.42,1844.49 ; U7.4@3702.32,2111.54 3292.84,2111.54 3267.91,2086.61 C12.2@3173.43,2086.61 3118.11,2086.61 3118.11,2133.86 ; C3.2@3704.72,444.88 3704.72,196.85 J22.1@3740.16,196.85 ; C6.2@3704.72,523.62 3732.28,523.62 v1(3751.97,543.31) ; 59.06,2434.44 C656.1@106.43,2434.44 130.05,2434.44 ; 130.05,2434.44 C655.2@130.05,2473.81 C72.1@130.05,2552.55 130.05,2591.92 ; 130.05,2591.92 C171.1@130.05,2631.29 C189.1@130.05,2710.03 130.05,2749.4 ; 130.05,2749.4 C88.1@130.05,2788.77 C84.1@130.05,2867.51 130.05,2906.88 ; J9.1@232.28,232.28 232.28,472.44 ; J9.1@232.28,232.28 C105.1@433.07,232.28 472.44,232.28 ; 232.28,472.44 232.28,629.92 ; 232.28,629.92 232.28,787.4 ; 232.28,787.4 232.28,944.88 ; 232.28,944.88 232.28,1102.36 ; 232.28,1102.36 232.28,1259.84 ; 232.28,1259.84 232.28,1417.32 ; 232.28,1417.32 232.28,1574.8 ; 232.28,1574.8 232.28,1732.28 ; 232.28,1732.28 C62.1@232.28,1850.39 232.28,1889.76 ; 472.44,232.28 C104.1@511.81,232.28 C155.1@590.55,232.28 629.92,232.28 ; 472.44,2133.86 629.92,2133.86 ; 504.39,3599.99 C603.2@503.94,3637.8 C814.2@503.94,3716.54 504.37,3755.64 504.39,3757.47 ; 504.39,3757.47 C606.2@503.94,3795.28 504.28,3862.2 C404.1@712.6,3862.2 ; 629.92,232.28 C154.1@669.29,232.28 C153.1@748.03,232.28 787.4,232.28 ; 629.92,2133.86 787.4,2133.86 ; 712.6,3838.58 C404.1@712.6,3862.2 ; C404.1@712.6,3862.2 921.26,3862.2 921.6,3862.2 ; 787.4,232.28 C152.1@826.77,232.28 C143.1@905.51,232.28 944.88,232.28 ; 787.4,2133.86 944.88,2133.86 ; 862.33,2434.44 C82.1@862.33,2552.55 862.33,2591.92 ; 862.33,2591.92 862.33,2749.4 ; 862.33,2749.4 862.33,2906.88 ; 862.33,2906.88 C268.2@862.33,2946.25 866.14,2950.06 866.14,2995.61 921.71,3051.18 C89.2@921.71,3096.05 C85.1@921.71,3202.35 1003.94,3202.35 1003.94,3440.94 C102.1@944.88,3440.94 921.26,3440.94 ; 921.26,3440.94 921.26,3598.43 ; 921.26,3598.43 921.26,3755.91 ; 921.26,3755.91 C379.2@921.26,3795.28 921.6,3862.2 ; 921.6,3862.2 1236.56,3862.2 C114.2@1236.22,3795.28 1236.67,3757.47 ; 944.88,232.28 C137.1@984.25,232.28 C136.1@1062.99,232.28 1102.36,232.28 ; 944.88,2133.86 1102.36,2133.86 ; 1102.36,232.28 C135.1@1141.73,232.28 C129.1@1220.47,232.28 1259.84,232.28 ; 1102.36,2133.86 1259.84,2133.86 ; 1236.67,3599.99 C113.2@1236.22,3637.8 C116.2@1236.22,3716.54 1236.65,3755.64 1236.67,3757.47 ; 1259.84,232.28 C107.1@1299.21,232.28 C179.1@1377.95,232.28 1417.32,232.28 ; 1259.84,2133.86 C83.1@1377.95,2133.86 1417.32,2133.86 ; 1417.32,232.28 C178.1@1456.69,232.28 C177.1@1535.43,232.28 1574.8,232.28 ; 1417.32,2133.86 1574.8,2133.86 ; 1444.88,3838.58 C133.1@1444.88,3862.2 ; C133.1@1444.88,3862.2 1653.54,3862.2 1653.89,3862.2 ; 1574.8,232.28 C168.1@1614.17,232.28 C167.1@1692.91,232.28 1732.28,232.28 ; 1574.8,2133.86 1732.28,2133.86 ; 1594.61,2434.44 C131.2@1594.61,2473.81 C142.1@1594.61,2552.55 1594.61,2591.92 ; 1594.61,2591.92 C144.1@1594.61,2631.29 C145.1@1594.61,2710.03 1594.61,2749.4 ; 1594.61,2749.4 C147.1@1594.61,2788.77 C166.1@1594.61,2867.51 1594.61,2906.88 ; 1594.61,2906.88 C169.1@1594.61,2946.25 1594.61,2992.25 1653.67,3051.31 1653.67,3095.73 C121.2@1653.99,3096.05 C117.1@1653.99,3202.35 1736.22,3202.35 1736.22,3440.94 C96.1@1677.17,3440.94 1653.54,3440.94 ; 1653.54,3440.94 C97.2@1653.54,3480.31 C29.2@1653.54,3559.06 1653.54,3598.43 ; 1653.54,3598.43 C27.2@1653.54,3637.8 C112.2@1653.54,3716.54 1653.54,3755.91 ; 1653.54,3755.91 C111.2@1653.54,3795.28 1653.89,3862.2 ; 1653.89,3862.2 1968.82,3862.2 C373.1@2177.17,3862.2 ; 1732.28,232.28 C146.1@1771.65,232.28 C60.1@1850.39,232.28 1889.76,232.28 ; 1732.28,2133.86 1889.76,2133.86 ; 1889.76,2133.86 J14.1@2129.92,2133.86 ; 1968.96,3599.99 C598.2@1968.5,3637.8 C642.2@1968.5,3716.54 1968.93,3755.64 1968.96,3757.47 ; 2129.92,472.44 C64.1@2129.92,511.81 C185.1@2129.92,590.55 2129.92,629.92 ; 2129.92,629.92 C184.1@2129.92,669.29 C183.1@2129.92,748.03 2129.92,787.4 ; 2129.92,787.4 C182.1@2129.92,826.77 C181.1@2129.92,905.51 2129.92,944.88 ; 2129.92,944.88 C180.1@2129.92,984.25 C4.1@2129.92,1062.99 2129.92,1102.36 ; 2129.92,1102.36 C35.1@2129.92,1141.73 C34.1@2129.92,1220.47 2129.92,1259.84 ; 2129.92,1259.84 C95.1@2129.92,1299.21 C91.1@2129.92,1377.95 2129.92,1417.32 ; 2129.92,1417.32 C186.1@2129.92,1456.69 C55.1@2129.92,1535.43 2129.92,1574.8 ; 2129.92,1574.8 C53.1@2129.92,1614.17 C48.1@2129.92,1692.91 2129.92,1732.28 ; 2129.92,1732.28 C46.1@2129.92,1771.65 C45.1@2129.92,1850.39 2129.92,1889.76 ; 2129.92,1889.76 C44.1@2129.92,1929.13 J14.1@2129.92,2133.86 ; 2177.17,3838.58 C373.1@2177.17,3862.2 ; C373.1@2177.17,3862.2 2385.83,3862.2 2386.17,3862.2 ; 2255.91,2434.44 C270.1@2303.28,2434.44 2326.9,2434.44 ; 2326.9,2434.44 C203.2@2326.9,2473.81 C266.2@2326.9,2552.55 2326.9,2591.92 ; 2326.9,2591.92 C269.2@2326.9,2631.29 C271.2@2326.9,2710.03 2326.9,2749.4 ; 2326.9,2749.4 C272.2@2326.9,2788.77 C274.2@2326.9,2867.51 2326.9,2906.88 ; 2385.83,3440.94 C52.2@2385.83,3480.31 C50.2@2385.83,3559.06 2385.83,3598.43 ; 2385.83,3598.43 C51.2@2385.83,3637.8 C71.2@2385.83,3716.54 2385.83,3755.91 ; 2385.83,3755.91 C70.2@2385.83,3795.28 2386.17,3862.2 ; 2386.17,3862.2 2401.57,3862.2 ; 2401.57,3862.2 2701.13,3862.2 ; 2440.94,2133.77 2511.81,2133.77 ; 2511.81,1582.68 2511.81,2133.77 ; 2511.81,1582.68 C16.2@2511.81,1342.52 2511.81,1330.71 C17.2@2582.68,1330.71 C1.2@2724.41,1330.71 2759.84,1330.71 2767.72,1322.83 D3.1@2946.85,1322.83 ; 2511.81,2133.77 2598.42,2133.77 ; 2598.42,2133.77 2716.45,2133.77 C202.2@2716.54,2133.86 2755.91,2133.86 ; 2701.14,3862.2 C99.1@2909.45,3862.2 ; 2701.13,3862.2 C124.2@2700.79,3795.28 2701.24,3757.47 ; 2701.24,3599.99 C123.2@2700.79,3637.8 C127.2@2700.79,3716.54 2701.22,3755.64 2701.24,3757.47 ; 2755.91,2133.86 2913.39,2133.86 ; 2909.45,3838.58 C99.1@2909.45,3862.2 ; C99.1@2909.45,3862.2 3118.11,3862.2 3118.45,3862.2 C120.2@3118.11,3795.28 3118.11,3755.91 ; 2913.39,2133.86 3118.11,2133.86 ; D3.1@2946.85,1322.83 C347.2@2946.85,1460.63 ; 3118.11,2133.86 C265.2@3118.11,2208.66 3118.11,2248.03 ; 3118.11,2248.03 C264.2@3118.11,2287.4 C592.2@3118.11,2370.08 ; C592.2@3118.11,2370.08 C187.2@3118.11,2649.61 3118.11,2688.98 ; 3118.11,2688.98 C90.1@3118.11,2728.35 C94.1@3118.11,2807.09 3118.11,2846.46 ; 3118.11,3440.94 C108.2@3118.11,3480.31 C100.2@3118.11,3559.06 3118.11,3598.43 ; 3118.11,3598.43 C31.2@3118.11,3637.8 C31.2@3118.11,3658.13 ; C31.2@3118.11,3658.13 C122.2@3118.11,3716.54 3118.11,3755.91 ; 3526.38,1844.49 J2.6@3661.42,1844.49